# Altium PCB SYRINGE_PUMP.PcbDoc (part 1 of 2)
Units mm, origin at the board's own origin, x right, y up, seen from the top; angles counter-clockwise.
Board outline 62 x 144 mm, 2 copper layers (Top Layer, Bottom Layer); 121 components, 124 nets, 475 pads, 109 vias.
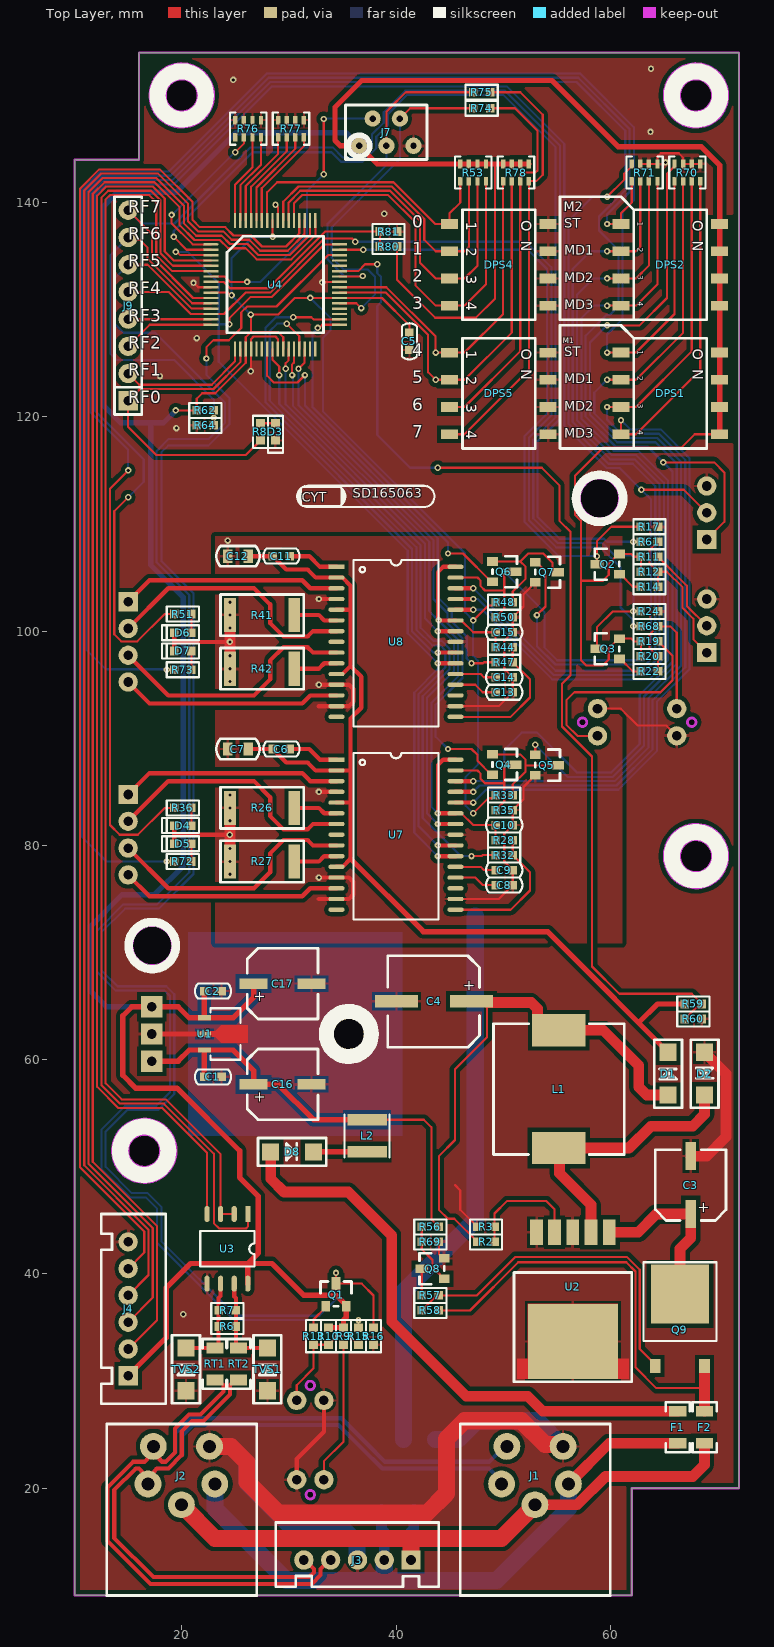
[diagram p0: Top Layer view]
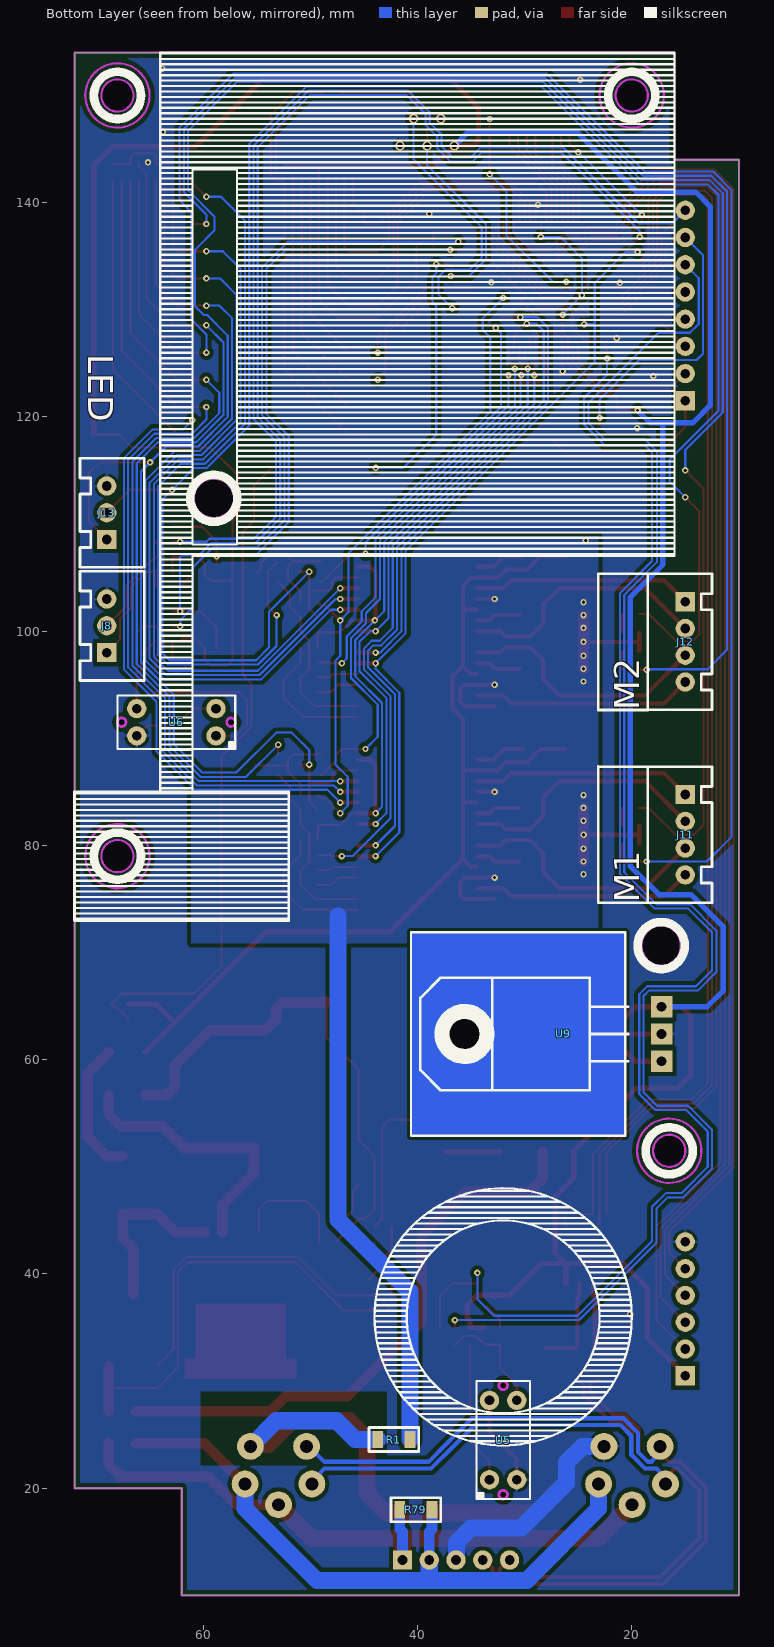
[diagram p1: Bottom Layer view, seen from below]

## Layer stack, top to bottom
Top Solder: solder mask 0.0102, Solder Resist, Dk 3.5
Top Layer: signal copper 0.0356
Dielectric 1: dielectric 0.32, FR-4, Dk 4.8
Bottom Layer: signal copper 0.0356
Bottom Solder: solder mask 0.0102, Solder Resist, Dk 3.5

## Board outline
10,10 10,144 16,144 16,154 72,154 72,20 62,20 62,10
cut-out: 32,29.2 cw(c32,29.6) 31.6,29.6 cw(c32,29.6) 32,30 cw(c32,29.6) 32.4,29.6 cw(c32,29.6)
cut-out: 32,19 cw(c32,19.4) 31.6,19.4 cw(c32,19.4) 32,19.8 cw(c32,19.4) 32.4,19.4 cw(c32,19.4)
cut-out: 57.4,91.1 cw(c57.4,91.5) 57,91.5 cw(c57.4,91.5) 57.4,91.9 cw(c57.4,91.5) 57.8,91.5 cw(c57.4,91.5)
cut-out: 67.6,91.1 cw(c67.6,91.5) 67.2,91.5 cw(c67.6,91.5) 67.6,91.9 cw(c67.6,91.5) 68,91.5 cw(c67.6,91.5)
cut-out: 59,110.6 ccw(c59,112.4) 60.8,112.4 ccw(c59,112.4) 59,114.2 ccw(c59,112.4) 57.2,112.4 ccw(c59,112.4)
cut-out: 19.05,70.65 cw(c17.25,70.65) 17.25,68.85 cw(c17.25,70.65) 15.45,70.65 cw(c17.25,70.65) 17.25,72.45 cw(c17.25,70.65)
cut-out: 68,77.5 cw(c68,79) 66.5,79 cw(c68,79) 68,80.5 cw(c68,79) 69.5,79 cw(c68,79)
cut-out: 16.5,50 cw(c16.5,51.5) 15,51.5 cw(c16.5,51.5) 16.5,53 cw(c16.5,51.5) 18,51.5 cw(c16.5,51.5)
cut-out: 68,148.5 cw(c68,150) 66.5,150 cw(c68,150) 68,151.5 cw(c68,150) 69.5,150 cw(c68,150)
cut-out: 20,148.5 cw(c20,150) 18.5,150 cw(c20,150) 20,151.5 cw(c20,150) 21.5,150 cw(c20,150)

## Design rules (kind name [scope] priority, off if disabled: settings)
Clearance [All] p1: gap=0.2 ignorepadtopadclearanceinfootprint=FALSE except(0.4: Arc-Poly Track-Poly SMDPad-Poly THPad-Poly Via-Poly Fill-Poly Poly-Poly Poly-Region)
ComponentClearance [All] p1: gap=0 collisioncheckmode=3 verticalgap=0 showdistances=FALSE
DiffPairsRouting [All] p1: maxlimit=0.254 minlimit=0.254 mostfreqgap=0.254 toplayer_minwidth=0.381 toplayer_maxwidth=0.381 toplayer_prefwidth=0.381 bottomlayer_minwidth=0.381 bottomlayer_maxwidth=0.381 bottomlayer_prefwidth=0.381 maxuncoupledlength=12.7
HoleSize [All] p1: absolutevalues=TRUE maxlimit=3.96 minlimit=0.025 maxpercent=80.000 minpercent=20.000
HoleToHoleClearance [All] p1: gap=0.1 allowstackedmicrovias=TRUE
MinimumSolderMaskSliver [All] p1: minsoldermaskwidth=0
PlaneConnect [All] p1: planeconnectstyle=Relief reliefexpansion=2.54 reliefentries=4 reliefconductorwidth=0.254 reliefairgap=0.254
PolygonConnect [All] p1: thpad.connectstyle=Relief thpad.reliefconductorwidth=0.254 thpad.reliefentries=4 thpad.polygonreliefangle="90 Angle" thpad.airgapwidth=0.254 smdpad.connectstyle=Relief smdpad.reliefconductorwidth=0.254 smdpad.reliefentries=4 smdpad.polygonreliefangle="90 Angle" smdpad.airgapwidth=0.254 via.connectstyle=Direct via.reliefconductorwidth=0.254 via.reliefentries=4 via.polygonreliefangle="90 Angle" via.airgapwidth=0.254
RoutingVias [All] p1: holewidth=0.4 width=0.7 viastyle="Through Hole" minholewidth=0.25 minwidth=0.5 maxholewidth=1 maxwidth=2
SilkToSilkClearance [All] p1: silktosilkclearance=0
SilkToSolderMaskClearance [IsPad] p1: minsilkscreentomaskgap=0 clearancetoexposedcopper=TRUE
SolderMaskExpansion [All] p1: expansion=0.102 istentingtop=FALSE
Width [All] p1: maxlimit=1.6 minlimit=0.2 preferedwidth=0.4
22 further rules are at their usual default settings.

## Classes and differential pairs
differential pair 485_D: +485_D+ -485_D-

## Components (designator, comment, footprint, x,y, rotation, side; value= is the part's Value field where it differs from the comment)
C1 "N_100nF_50V" 0603C-A1 22.915,58.4 r0 top locked
C2 "N_1uF_25V" 0603C-A1 22.915,66.4 r0 top locked
C3 "47uF_50V" SCAP-EC-P630I-A1 67.5,48.3 r90 top locked
C4 "100uF_50V" SCAP-EC-P850I-A1 43.55,65.45 r180 top locked
C5 "100nF_50V" 0603C-A1 41.25,127.05 r90 top locked
C6 "100nF_50V" 0603C-A1 29.3,89 r0 top locked
C7 "10uF" 0805C-A1 25.25,89 r180 top locked
C8 "1nF_50V" 0603C-A1 50.1,76.3 r180 top locked
C9 "100pF_50V" 0603C-A1 50.1,77.7 r180 top locked
C10 "100nF_50V" 0603C-A1 50.1,81.9 r180 top locked
C11 "100nF_50V" 0603C-A1 29.3,107 r0 top locked
C12 "10uF" 0805C-A1 25.25,107 r180 top locked
C13 "1nF_50V" 0603C-A1 50.1,94.3 r180 top locked
C14 "100pF_50V" 0603C-A1 50.1,95.7 r180 top locked
C15 "100nF_50V" 0603C-A1 50.1,99.9 r180 top locked
C16 "47uF_50V" SCAP-EC-P630I-A1 29.415,57.7 r0 top locked
C17 "47uF_50V" SCAP-EC-P630I-A1 29.415,67.1 r0 top locked
D1 "SS34" DO214AC-A1 65.4,60.7 r270 top locked
D2 "SS34" DO214AC-A1 68.8,56.7 r90 top locked
D3 "LED_G" 0603D-A1 28.75,118.6 r90 top locked
D4 "LED_R" 0603D-A1 20.1,81.85 r0 top locked
D5 "LED_G" 0603D-A1 20.1,80.15 r0 top locked
D6 "LED_R" 0603D-A1 20.1,99.85 r0 top locked
D7 "LED_G" 0603D-A1 20.1,98.15 r0 top locked
D8 "SS34" DO214AC-A1 32.3,51.4 r180 top locked
DPS1 "DIP-SWITCH-4" SDIPSW254-4P 61,126 r270 top locked
DPS2 "DIP-SWITCH-4" SDIPSW254-4P 61,137.999 r270 top locked
DPS4 "DIP-SWITCH-4" SDIPSW254-4P 45,137.999 r270 top locked
DPS5 "DIP-SWITCH-4" SDIPSW254-4P 45,125.999 r270 top locked
F1 "24V_1A" 1206R-B1 66.3,25.7 r270 top locked
F2 "24V_1A" 1206R-B1 68.8,25.7 r270 top locked
J1 "GX16-5PL" GX16-90 45.97,25.959 r270 top locked
J2 "GX16-5PL" GX16-90 12.97,25.959 r270 top locked
J3 "XH-5PI" XH250-5PI 41.4,13.3 r180 top locked
J4 "XH-6PI" XH250-6PI 15,30.5 r90 top locked
J7 "MicroChip Debug" MICROCHIP-B 36.55,145.301 r0 top locked
J8 "XH-3P" XH250-3PI 69,98 r90 bottom locked
J9 "HEADER254-8PI" HEADER254-8PI 15,121.5 r90 top locked
J11 "XH250-4PI" XH250-4PI 15,84.75 r270 bottom locked
J12 "XH250-4PI" XH250-4PI 15,102.75 r270 bottom locked
J13 "XH-3P" XH250-3PI 69,108.55 r90 bottom
L1 "47uH" SIND-PW-P1200-B1A 55.2,57.25 r90 top locked
L2 "4.7uH" SIND-PW-P400-B1 37.3,52.9 r90 top locked
Q1 "MMBT3906" SOT23-B1 33.45,37 r0 top locked
Q2 "MMBT3906" SOT23-B1 60.85,105.3 r90 top locked
Q3 "MMBT3906" SOT23-B1 60.85,97.4 r90 top locked
Q4 "AO3401" SOT23-B1 49,88.5 r270 top locked
Q5 "2N7002" SOT23-B1 53,88.45 r270 top locked
Q6 "AO3401" SOT23-B1 49,106.5 r270 top locked
Q7 "2N7002" SOT23-B1 53,106.45 r270 top locked
Q8 "2N7002" SOT23-B1 44.5,39.55 r90 top locked
Q9 "STP10P6F6" TO252-B2 66.5,38.1 r0 top locked
R1 "0R" 1206R-A1 42.2,24.55 r0 bottom
R2 "9K1" 0603R-A1 48.4,43 r0 top locked
R3 "1K" 0603R-A1 48.4,44.4 r180 top locked
R6 "N_0R" 0603R-A1 24.25,35.1 r180 top locked
R7 "N_0R" 0603R-A1 24.25,36.6 r180 top locked
R8 "2K" 0603R-A1 27.35,118.6 r90 top locked
R9 "220R" 0603R-A1 35.1,34.2 r270 top locked
R10 "5K1" 0603R-A1 33.7,34.2 r270 top locked
R11 "220R" 0603R-A1 63.65,106.95 r0 top locked
R12 "5K1" 0603R-A1 63.65,105.55 r0 top locked
R13 "1K" 0603R-A1 32.3,34.2 r90 top locked
R14 "1K" 0603R-A1 63.65,104.15 r180 top locked
R15 "N_0R" 0603R-A1 36.5,34.2 r90 top locked
R16 "2K" 0603R-A1 37.9,34.2 r270 top locked
R17 "2K" 0603R-A1 63.65,109.75 r0 top locked
R19 "220R" 0603R-A1 63.65,99.05 r0 top locked
R20 "5K1" 0603R-A1 63.65,97.65 r0 top locked
R22 "1K" 0603R-A1 63.65,96.25 r180 top locked
R24 "2K" 0603R-A1 63.65,101.85 r0 top locked
R26 "0R22" 2512R-A1 27.5,83.5 r0 top locked
R27 "0R22" 2512R-A1 27.5,78.5 r0 top locked
R28 "47K" 0603R-A1 50.1,80.5 r180 top locked
R32 "N_0R" 0603R-A1 50.1,79.1 r180 top locked
R33 "2K" 0603R-A1 50.1,84.7 r0 top locked
R35 "2K" 0603R-A1 50.1,83.3 r0 top locked
R36 "2K" 0603R-A1 20.1,83.5 r0 top locked
R41 "0R22" 2512R-A1 27.5,101.5 r0 top locked
R42 "0R22" 2512R-A1 27.5,96.5 r0 top locked
R44 "47K" 0603R-A1 50.1,98.5 r180 top locked
R47 "N_0R" 0603R-A1 50.1,97.1 r180 top locked
R48 "2K" 0603R-A1 50.1,102.7 r0 top locked
R50 "2K" 0603R-A1 50.1,101.3 r0 top locked
R51 "2K" 0603R-A1 20.1,101.6 r0 top locked
R53 "2K" 4P8R0603-B1 46,142 r0 top locked
R56 "10K" 0603R-A1 43.2,44.4 r180 top locked
R57 "10K" 0603R-A1 43.2,38 r180 top locked
R58 "10K" 0603R-A1 43.2,36.6 r180 top locked
R59 "10K" 0603R-A1 67.75,65.2 r0 top locked
R60 "2K" 0603R-A1 67.75,63.8 r0 top locked
R61 "N_0R" 0603R-A1 63.65,108.35 r180 top locked
R62 "N_0R" 0603R-A1 22.2,120.6 r0 top locked
R64 "N_0R" 0603R-A1 22.2,119.2 r180 top locked
R68 "N_0R" 0603R-A1 63.65,100.45 r180 top locked
R69 "2K" 0603R-A1 43.2,43 r0 top locked
R70 "2K" 4P8R0603-B1 68.4,143.6 r180 top locked
R71 "2K" 4P8R0603-B1 64.4,143.6 r180 top locked
R72 "2K" 0603R-A1 20.1,78.5 r0 top locked
R73 "2K" 0603R-A1 20.1,96.4 r0 top locked
R74 "2K" 0603R-A1 48,148.8 r180 top locked
R75 "2K" 0603R-A1 48,150.3 r180 top locked
R76 "2K" 4P8R0603-B1 25,146.1 r0 top locked
R77 "2K" 4P8R0603-B1 29,146.1 r0 top locked
R78 "2K" 4P8R0603-B1 50,142 r0 top locked
R79 "N_0R" 1206R-A1 40.15,18 r0 bottom locked
R80 "4K7" 0603R-A1 39.3,135.9 r180 top locked
R81 "4K7" 0603R-A1 39.3,137.3 r0 top locked
RT1 "FUSE PPTC" 1206R-B1 23.1,31.6 r270 top locked
RT2 "FUSE PPTC" 1206R-B1 25.3,31.6 r270 top locked
TVS1 "SMAJ6.5CA" DO214AC-A1 28,33.1 r270 top locked
TVS2 "SMAJ6.5CA" DO214AC-A1 20.4,33.1 r270 top locked
U1 "N_78L05" SOT89P-B2 22.13,62.4 r270 top locked
U2 "LM2596" TO263-5-B2 56.5,43.9 r180 top locked
U3 "MAX485" SOIC8A-P127-B1 26.17,45.6 r270 top locked
U4 "PIC16F1947-I/PT" TQFP64-P050-B1 22.725,136.1 r0 top locked
U5 "GP1S56" GP1S56 29.5,19 r90 bottom
U6 "GP1S56" GP1S56 57,94 r0 bottom
U7 "LV8728" LV8728 40,81 r0 top locked
U8 "LV8728" LV8728 40,99 r0 top locked
U9 "L7805" TO220-P254L-A1 17.215,59.86 r90 bottom locked

## Footprints (in the part's own frame and the unit in brackets; to place one, negate y for a bottom-side part, rotate by r counter-clockwise, add the part's x,y. Pads: shape width x height; smd on the part's side, far side on the other; paste and mask are expansions set on the pad)
4P8R0603-B1 [mm]
  rect 0.4x0.8 smd: 1(0,0) 2(0.8,0) 3(1.6,0) 4(2.4,0) 5(2.4,1.6) 6(1.6,1.6) 7(0.8,1.6) 8(0,1.6)
  silkscreen extent -0.5,-0.7 2.9,2.3
0603C-A1 [mm]
  rect 0.8x0.8 smd: 1(-0.8,0) 2(0.8,0)
  silkscreen extent -1.69,-0.7 1.69,0.7, body extent -0.8,-0.4 0.8,0.4, height 0.8
0603D-A1 [mm]
  rect 0.8x0.8 smd: 1(-0.8,0) 2(0.8,0)
  silkscreen extent -1.95,-0.7 1.5,0.7, body extent -0.8,-0.4 0.8,0.4, height 0.45
0603R-A1 [mm]
  rect 0.8x0.8 smd: 1(-0.8,0) 2(0.8,0)
  silkscreen extent -1.5,-0.7 1.5,0.7, body extent -0.8,-0.4 0.8,0.4, height 0.45
0805C-A1 [mm]
  rect 0.9x1.25 smd: 1(-0.95,0) 2(0.95,0)
  silkscreen extent -2.02,-0.95 2.02,0.95, body extent -1,-0.62 1,0.63, height 0.55
1206R-A1 [mm]
  rect 1x1.6 smd: 1(-1.5,0) 2(1.5,0)
  silkscreen extent -2.32,-1.12 2.32,1.12, body extent -1.6,-0.8 1.6,0.8, height 0.6
1206R-B1 [mm]
  rect 1x1.6 smd: 1(-1.5,0) 2(1.5,0)
  silkscreen extent -2.32,-1.12 2.32,1.12, body extent -1.6,-0.8 1.6,0.8, height 0.6
2512R-A1 [mm]
  rect 1.1x3.2 smd: 1(-3,0) 2(3,0)
  silkscreen extent -3.88,-1.92 3.88,1.92, body extent -3.16,-1.6 3.16,1.6, height 0.62
DO214AC-A1 [mm]
  rect 1.6x1.6 smd: 1(0,0) 2(4,0)
  silkscreen extent -1.17,-1.3 5.18,1.3, body extent -0.6,-1.38 4.6,1.22, height 2.4
GP1S56 [mm]
  round 1.8 hole 0.9: 1(1.8,3.77) 2(1.8,1.23) 3(9.2,1.23) 4(9.2,3.77)
  silkscreen extent 0,0 11,5
GX16-90 [mm]
  round 2.5 hole 1.2: 1(7.5,7) 2(5.56,10.12) 3(2.05,9.62) 4(2.05,4.38) 5(5.56,3.88)
  silkscreen extent -0.04,0.03 15.96,14.03
HEADER254-8PI [mm]
  rect 1.8x1.8 hole 0.9: 1(0,0)
  round 1.8 hole 0.9: 2(2.54,0) 3(5.08,0) 4(7.62,0) 5(10.16,0) 6(12.7,0) 7(15.24,0) 8(17.78,0)
  silkscreen extent -1.27,-1.28 19.05,1.27, body extent -1.28,-1.27 19.04,1.27, height 8.64
LV8728 [mm]
  rect 1.5x0.4 smd: 1(-5.555,7)
  oval 1.5x0.4 smd: 2(-5.555,6) 3(-5.555,5) 4(-5.555,4) 5(-5.555,3) 6(-5.555,2) 7(-5.555,1) 8(-5.555,0) 9(-5.555,-1) 10(-5.555,-2) 11(-5.555,-3) 12(-5.555,-4) 13(-5.555,-5) 14(-5.555,-6) 15(-5.555,-7) 16(5.555,-7) 17(5.555,-6) 18(5.555,-5) 19(5.555,-4) 20(5.555,-3) 21(5.555,-2) 22(5.555,-1) 23(5.555,0) 24(5.555,1) 25(5.555,2) 26(5.555,3) 27(5.555,4) 28(5.555,5) 29(5.555,6) 30(5.555,7)
  silkscreen extent -3.97,-7.91 3.97,7.64
MICROCHIP-B [mil]
  round 60 / inner round 60 / far side round 35.43 hole 23.62 paste-39.37: 1(-0.01,-0.04) 2(49.99,99.96) 3(100.38,-0.04) 4(149.99,99.96) 5(199.99,-0.04)
  silkscreen extent -50,-50 250,150
SCAP-EC-P630I-A1 [mm]
  rect 2.6x1 smd: 1(-2.7,0) 2(2.7,0)
  silkscreen extent -3.3,-3.3 3.3,3.3, body extent -3.68,-3.29 3.62,3.31, height 5.9
SCAP-EC-P850I-A1 [mm]
  rect 4x1.2 smd: 1(-3.499,-0.006) 2(3.501,-0.006)
  silkscreen extent -4.25,-4.26 4.33,4.29, body extent -4.6,-4.13 4.6,4.17, height 7.71
SDIPSW254-4P [mm]
  rect 0.9x1.6 smd: 1(-0.001,0) 2(2.539,0) 3(5.079,0) 4(7.619,0) 5(7.619,9.2) 6(5.079,9.2) 7(2.539,9.2) 8(-0.001,9.2)
  silkscreen extent -1.33,1.2 8.95,8, body extent -1.19,0.01 8.82,9.31, height 3.01
SIND-PW-P400-B1 [mm]
  rect 1.1x3.7 smd: 1(-1.5,0) 2(1.5,0)
  silkscreen extent -2,-2.1 2,2.1
SIND-PW-P1200-B1A [mm]
  rect 3x5 smd: 1(-5.5,0) 2(5.5,0)
  silkscreen extent -6.1,-6.1 6.1,6.1, body extent -6.15,-6.15 6.15,6.15, height 6.2
SOIC8A-P127-B1 [mm]
  rect 1.5x0.48 smd: 1(0,0)
  oval 1.5x0.48 smd: 2(0,-1.27) 3(0,-2.54) 4(0,-3.81) 5(6.5,-3.81) 6(6.5,-2.54) 7(6.5,-1.27) 8(6.5,0)
  silkscreen extent 1.58,-4.45 4.92,0.64, body extent 0.26,-4.36 6.25,0.54, height 1.6
SOT23-B1 [mm]
  rect 0.8x1 smd: 1(0,0) 2(1.9,0)
  rect 0.8x1.2 smd: 3(0.95,2.1)
  silkscreen extent -0.5,0 2.4,2.3, body extent -0.55,-0.22 2.45,2.42, height 1.08
SOT89P-B2 [mm]
  rect 0.5x1.25 smd: 1(-1.5,0) 2(0,0) 3(1.5,0)
  Top Layer region: -0.25,1 -0.8,1.55 -0.8,4.025 0.8,4.025 0.8,1.55 0.25,1 0.25,-0.625 -0.25,-0.625
  silkscreen extent -2.4,0.55 2.4,3.35, body extent -2.25,-0.34 2.25,3.6, height 1.4
TO220-P254L-A1 [mm]
  rect 2x2 hole 0.9: 1(0,0) 2(2.54,0) 3(5.08,0)
  round 3.3 hole 3: ""(2.54,18.385)
  silkscreen extent -2.71,3.11 7.79,22.51, body extent -2.68,-0.15 7.72,20.95, height 4.5
TO252-B2 [mm]
  rect 1x1.3 smd: 1(-2.3,-6.7) 3(2.3,-6.7)
  rect 5.4x5.5 smd: 2(0,0.05)
  silkscreen extent -3.4,-4.35 3.4,3, body extent -3.37,-7.3 3.37,2.8, height 2.37
TO263-5-B2 [mm]
  rect 1.2x2.4 smd: 1(-3.4,0) 2(-1.7,0) 3(0,0) 4(1.7,0) 5(3.4,0)
  rect 8.4x7 smd: 6(0,10.2)
  Top Layer region: -5.2,11.8 -4.2,11.8 -4.2,6.7 4.2,6.7 4.2,11.8 5.2,11.8 5.2,13.7 -5.2,13.7
  silkscreen extent -5.5,3.76 5.49,13.95, body extent -5.07,-0.47 5.09,13.55, height 4.56
TQFP64-P050-B1 [mm]
  oval 1.4x0.22 smd: 1(0,0)
  rect 1.4x0.22 smd: 2(0,-0.5) 3(0,-1) 4(0,-1.5) 5(0,-2) 6(0,-2.5) 7(0,-3) 8(0,-3.5) 9(0,-4) 10(0,-4.5) 11(0,-5) 12(0,-5.5) 13(0,-6) 14(0,-6.5) 15(0,-7) 16(0,-7.5) 33(12,-7.5) 34(12,-7) 35(12,-6.5) 36(12,-6) 37(12,-5.5) 38(12,-5) 39(12,-4.5) 40(12,-4) 41(12,-3.5) 42(12,-3) 43(12,-2.5) 44(12,-2) 45(12,-1.5) 46(12,-1) 47(12,-0.5) 48(12,0)
  rect 0.22x1.4 smd: 17(2.25,-9.75) 18(2.75,-9.75) 19(3.25,-9.75) 20(3.75,-9.75) 21(4.25,-9.75) 22(4.75,-9.75) 23(5.25,-9.75) 24(5.75,-9.75) 25(6.25,-9.75) 26(6.75,-9.75) 27(7.25,-9.75) 28(7.75,-9.75) 29(8.25,-9.75) 30(8.75,-9.75) 31(9.25,-9.75) 32(9.75,-9.75) 49(9.75,2.25) 50(9.25,2.25) 51(8.75,2.25) 52(8.25,2.25) 53(7.75,2.25) 54(7.25,2.25) 55(6.75,2.25) 56(6.25,2.25) 57(5.75,2.25) 58(5.25,2.25) 59(4.75,2.25) 60(4.25,2.25) 61(3.75,2.25) 62(3.25,2.25) 63(2.75,2.25) 64(2.25,2.25)
  round 0.5 on Top Overlay: ""(2.775,-0.35)
  silkscreen extent 1.5,-8.25 10.5,0.75, body extent -0.01,-9.76 12.01,2.25, height 1.2
XH250-3PI [mm]
  rect 1.8x1.8 hole 0.9: 1(0,0)
  round 1.8 hole 0.9: 2(2.5,0) 3(5,0)
  silkscreen extent -2.6,-3.5 7.6,2.5, body extent -2.45,-3.4 7.45,2.35, height 7
XH250-4PI [mm]
  rect 1.8x1.8 hole 0.9: 1(0,0)
  round 1.8 hole 0.9: 2(2.5,0) 3(5,0) 4(7.5,0)
  silkscreen extent -2.6,-3.5 10.1,2.5, body extent -2.45,-3.4 9.95,2.35, height 7
XH250-5PI [mm]
  rect 1.8x1.8 hole 0.9: 1(0,0)
  round 1.8 hole 0.9: 2(2.5,0) 3(5,0) 4(7.5,0) 5(10,0)
  silkscreen extent -2.6,-3.5 12.63,2.5, body extent -2.44,-3.34 12.46,2.41, height 7
XH250-6PI [mm]
  rect 1.8x1.8 hole 0.9: 1(0,0)
  round 1.8 hole 0.9: 2(2.5,0) 3(5,0) 4(7.5,0) 5(10,0) 6(12.5,0)
  silkscreen extent -2.6,-3.5 15.1,2.5, body extent -2.45,-3.38 14.95,2.37, height 7

## Part data
Q6: library part A03401

## Via types
v1: diameter 0.6, hole 0.3, Top Layer to Bottom Layer, tented both sides, 97 vias
v2: diameter 0.6, hole 0.3, Top Layer to Bottom Layer, tented bottom, 12 vias

## Nets (pads, with @x,y where several pads share a name; then routed paths per layer and width w, separated by ;. In a path a pad name is that pad's centre, name@x,y a point inside that pad or via, vN(x,y) a via of type N, cw(c..) or ccw(c..) an arc to the next point about the centre after c; other vN are vias at no path point)
485_D+: J1.4 J2.4 J3.4 RT1.2 | length 86.5
  Top Layer w0.381: J2.4@17.35,23.909 J2.4@17.35,23.336 ; RT1.2@23.1,30.1 23.4,30.1 23.882,29.617 23.882,29.028 21.754,26.9 20.689,26.9 19.364,25.575 19.364,23.348 18.488,22.472 18.173,22.472 17.949,22.695 17.949,22.736 J2.4@17.35,23.336 ; J3.4@33.9,13.3 33.8,13.3 32.968,12.467 32.968,11.888 32.144,11.065 17.087,11.065 13.065,15.087 13.065,20.089 15.448,22.472 16.527,22.472 16.75,22.695 16.75,22.736 J2.4@17.35,23.336
  Bottom Layer w0.381: J2.4@17.35,23.909 17.35,23.336 17.949,22.736 17.949,22.695 18.173,22.472 18.488,22.472 19.41,23.394 19.41,25.164 20.781,26.535 34.915,26.535 37.2,24.25 38.978,22.472 48.662,22.472 50.1,23.909 J1.4@50.35,23.909
485_D-: J1.5 J2.5 J3.5 RT2.2 | length 84.5
  Top Layer w0.381: J2.5@16.85,20.399 J2.5@16.85,20.973 ; RT2.2@25.3,30.1 25,30.1 24.517,29.617 24.517,28.765 22.017,26.265 20.952,26.265 19.999,25.312 19.999,23.085 18.751,21.837 17.673,21.837 17.449,21.614 17.449,21.572 J2.5@16.85,20.973 ; J3.5@31.4,13.3 31.5,13.3 32.333,12.467 32.333,12.151 31.881,11.7 17.35,11.7 13.7,15.35 13.7,19.826 15.711,21.837 16.027,21.837 16.25,21.614 16.25,21.572 J2.5@16.85,20.973
  Bottom Layer w0.381: J2.5@16.85,20.399 16.85,20.973 17.449,21.572 17.449,21.614 17.673,21.837 18.751,21.837 20.045,23.131 20.045,24.901 21.044,25.9 34.652,25.9 36.565,23.987 36.751,23.801 38.715,21.837 48.662,21.837 49.85,20.649 J1.5@49.85,20.399
ADDSEL_0: DPS4.1 R53.1 U4.58 | length 26.1
  Top Layer w0.2: U4.58@27.975,138.35 27.975,140.975 28.9,141.9 39.766,141.9 43.666,138 DPS4.1@45,138 45,139 46,140 R53.1@46,142
ADDSEL_1: DPS4.2 R53.2 U4.55 | length 29.6
  Top Layer w0.2: U4.55@29.475,138.35 29.475,140.075 30.9,141.5 39.6,141.5 42.633,138.467 42.633,136.528 43.7,135.46 DPS4.2@45,135.46 46.4,135.46 46.8,135.86 R53.2@46.8,142
ADDSEL_2: DPS4.3 R53.3 U4.54 | length 33.8
  Top Layer w0.2: U4.54@29.975,138.35 29.975,140.009 31.066,141.1 39.434,141.1 42.233,138.302 42.233,134.388 43.7,132.92 DPS4.3@45,132.92 46.4,132.92 47.6,134.12 R53.3@47.6,142
ADDSEL_3: DPS4.4 R53.4 U4.53 | length 38
  Top Layer w0.2: U4.53@30.475,138.35 30.475,139.944 31.231,140.7 39.269,140.7 41.833,138.136 41.833,132.248 43.7,130.38 DPS4.4@45,130.38 46.4,130.38 48.4,132.38 R53.4@48.4,142
ADDSEL_4: DPS5.1 R78.1 U4.40 | length 32.6
  Top Layer w0.2: U4.40@34.725,132.1 39.1,132.1 43.7,127.5 v1(43.7,125.999) DPS5.1@45,126 ; DPS5.1@45,126 46.4,126 50,129.6 R78.1@50,142
ADDSEL_5: DPS5.2 R78.2 U4.39 | length 37.4
  Top Layer w0.2: U4.39@34.725,131.6 39.034,131.6 43,127.634 43,124.159 v1(43.7,123.459) DPS5.2@45,123.46 ; DPS5.2@45,123.46 46.4,123.46 50.8,127.86 R78.2@50.8,142
ADDSEL_6: DPS5.3 R74.1 R78.3 | length 36
  Top Layer w0.2: DPS5.3@45,120.92 46.4,120.92 51.6,126.12 R78.3@51.6,142 51.6,142.6 51.8,142.8 53,142.8 53.2,143 53.2,146.7 51.1,148.8 R74.1@48.8,148.8
ADDSEL_7: DPS5.4 R75.1 R78.4 | length 40.4
  Top Layer w0.2: DPS5.4@45,118.38 46.4,118.38 52.4,124.38 R78.4@52.4,142 53.1,142 53.7,142.6 53.7,148.2 51.6,150.3 R75.1@48.8,150.3
FREQ_SEL: R80.2 R81.1 U4.8 | length 19.6
  Top Layer w0.2: U4.8@22.725,132.6 23.9,132.6 24.5,132 28.097,132 33.397,137.3 R81.1@38.5,137.3 R80.2@38.5,135.9
GND: C1.2 C2.2 C3.2 C4.2 C5.1 C16.2 C17.2 D2.2 D3.1 DPS4.5 DPS4.6 DPS4.7 DPS4.8 DPS5.5 DPS5.6 DPS5.7 DPS5.8 J1.3 J2.3 J3.3 J4.6 J7.5 J8.3 J13.3 Q8.2 R1.2 R3.2 R16.2 R17.2 R24.2 R60.2 R64.2 R69.2 R70.1 R70.2 R70.3 R71.1 R71.2 R71.3 R76.5 R76.6 R76.7 R76.8 R77.5 R77.6 R77.7 R77.8 R81.2 TVS1.2 TVS2.2 U1.2 U2.3 U2.5 U2.6 U3.5 U4.9 U4.20 U4.25 U4.41 U4.56 U5.2 U5.4 U6.2 U6.4 U9.2 | length 138
  Top Layer w0.2: v1(21.1,132.5) 21.149,132.5 21.549,132.1 U4.9@22.725,132.1 ; v1(26.45,124.25) 26.465,124.265 26.465,126.34 U4.20@26.475,126.35 26.475,127.275 26.7,127.5 28.75,127.5 28.975,127.275 U4.25@28.975,126.35 ; v1(28.75,139.8) 28.975,139.575 U4.56@28.975,138.35 ; v1(33.1,132.55) 33.14,132.59 34.715,132.59 U4.41@34.725,132.6 ; R69.2@44,43 44,41.85 44.4,41.45 Q8.2@44.5,41.45 ; 45.5,48.3 46,47.8 46,46 R3.2@47.6,44.4 ; U6.2@58.8,92.77 60.98,92.77 62.55,91.2 65.23,91.2 U6.4@66.2,90.23 ; R71.3@62.8,143.6 R71.2@63.6,143.6 R71.1@64.4,143.6 64.4,144.3 64.7,144.6 66.4,144.6 66.8,144.2 R70.3@66.8,143.6 R70.2@67.6,143.6 R70.1@68.4,143.6
  Top Layer w0.4: U5.2@30.73,20.8 30.73,22.73 33.27,25.27 U5.4@33.27,28.2
  Top Layer w0.5: U9.2@17.215,62.4 21.754,62.4 U1.2@22.13,62.4
  Top Layer w1: C3.2@67.5,51 69,51 70.8,52.8 70.8,58.7 69.1,60.4 D2.2@68.8,60.7
  Top Layer w1.6: J2.3@22.59,23.909 24.591,23.909 26.1,22.4 26.1,20.6 29,17.7 42.9,17.7 44.7,19.5 44.7,24.6 46.4,26.3 51.7,26.3 53.918,24.082 55.417,24.082 J1.3@55.59,23.909
  Bottom Layer w1.6: J2.3@22.59,23.909 24.591,23.909 26.1,22.4 26.1,20.5 30.3,16.3 35,16.3 36.362,14.938 36.362,13.338 J3.3@36.4,13.3 ; R1.2@43.7,24.55 45.8,24.55 47.55,26.3 53.199,26.3 J1.3@55.59,23.909
  other v1: 20.15,36.25 19.5,118.95 17.975,123.811 21.4,127.35 38.9,138.95 65.15,143.75 63.75,146.6 24.8,151.45 63.8,152.5
GND_SIGNAL: C7.2 C8.1 C9.1 C10.1 C12.2 C13.1 C14.1 C15.1 D4.1 D5.1 D6.1 D7.1 Q5.2 Q7.2 R1.1 R26.1 R27.1 R35.2 R41.1 R42.1 R50.2 U7.4 U7.12 U7.14 U7.17 U7.23 U8.4 U8.12 U8.14 U8.17 U8.23 | length 130.2
  Top Layer w0.2: U7.17@45.555,75 49.6,75 C8.1@50.9,76.3 C9.1@50.9,77.7 50.2,78.4 50.1,78.4 50.1,81.1 C10.1@50.9,81.9 R35.2@50.9,83.3 51.9,84.3 51.9,85.45 52.6,86.15 52.6,86.25 52.9,86.55 Q5.2@53,86.55 ; U8.17@45.555,93 49.6,93 C13.1@50.9,94.3 C14.1@50.9,95.7 50.2,96.4 50.1,96.4 50.1,99.1 C15.1@50.9,99.9 R50.2@50.9,101.3 51.9,102.3 51.9,103.45 52.6,104.15 52.6,104.25 52.9,104.55 Q7.2@53,104.55
  Top Layer w0.4: D5.1@19.3,80.15 19.3,80.987 ; D4.1@19.3,81.85 19.3,80.987 ; D7.1@19.3,98.15 19.3,98.987 ; D6.1@19.3,99.85 19.3,98.987 ; v1@24.5,81 v1(24.487,80.987) 19.3,80.987 ; v1(24.5,99) 24.487,98.987 19.3,98.987 ; 32.8,75 U7.14@34.445,75 35.6,75 36,75.4 36,76.6 35.6,77 U7.12@34.445,77 v1(32.8,77) ; v1(32.8,85) U7.4@34.445,85 ; 32.8,93 U8.14@34.445,93 35.6,93 36,93.4 36,94.6 35.6,95 U8.12@34.445,95 v1(32.8,95) ; v1(32.8,103) U8.4@34.445,103
  Top Layer w1: v2(24.5,78.5) v2(24.5,79.7) 24.5,81 v2(24.5,82.3) v2(24.5,83.5) ; v2(24.5,96.5) v1(24.5,99) v2(24.5,101.5)
  Bottom Layer w1.6: R1.1@40.7,24.55 40.7,38.35 47.4,45.05 47.4,73.4
  other v1: 24.3,108.45
  other v2: 24.5,77.3 24.5,84.7 24.5,95.3 24.5,97.7 24.5,100.3 24.5,102.7
M1_BTN_LIMIT: R76.2 U4.1 | length 15.4
  Top Layer w0.2: v1(19.05,138.85) 19.05,138.084 21.034,136.1 U4.1@22.725,136.1 ; v1(25,144.7) 25.8,145.5 R76.2@25.8,146.1
  Bottom Layer w0.2: v1(19.05,138.85) 19.1,138.85 24.95,144.7 v1(25,144.7)
M1_ENCODER: Q2.3 R17.1 U4.47 | length 59.5
  Top Layer w0.2: U4.47@34.725,135.6 v1(36.95,135.6) ; Q2.3@58.75,106.25 58.75,108.4 60.1,109.75 R17.1@62.85,109.75
  Bottom Layer w0.2: v1(36.95,135.6) 52.3,135.6 54.1,133.8 54.1,120.3 52.008,118.208 52.008,110.192 52.567,109.633 55.2,107 v1(58.75,107)
M1_FR: U4.29 U7.22 | length 63.4
  Top Layer w0.2: v1(29.8,128.7) 30.975,127.525 U4.29@30.975,126.35
  Top Layer w0.4: v1(43.91,80) U7.22@45.555,80
  Bottom Layer w0.2: v1(29.8,128.7) 28.9,128.7 28.216,128.016 28.216,121.516 41.9,107.831 41.9,100.141 43.368,98.673 44.127,98.673 44.6,98.2 44.6,96.6 42.1,94.1 42.1,81.81 v1(43.91,80)
M1_MO: R32.2 U4.24 | length 60.4
  Top Layer w0.2: U4.24@28.475,126.35 28.475,125.325 29.1,124.7 v1(29.1,123.9) ; v1(47.045,79) 48,79 48.1,79.1 R32.2@49.3,79.1
  Bottom Layer w0.2: v1(29.1,123.9) 29.1,121.197 42.3,107.997 42.3,100.307 43.504,99.104 44.262,99.104 45,98.366 45,96.434 42.5,93.934 42.5,82.561 46.061,79 v1(47.045,79)
M1_OUT1A: J11.1 U7.3 | length 20.6
  Top Layer w0.4: J11.1@15,84.75 17,86.75 31.25,86.75 32,86 U7.3@34.445,86
M1_OUT1B: J11.2 U7.7 | length 24.1
  Top Layer w0.4: J11.2@15,82.25 18.75,86 26.75,86 28.25,84.5 28.25,82.75 29.5,81.5 31.75,81.5 32.25,82 U7.7@34.445,82
M1_OUT2A: J11.3 U7.9 | length 24.1
  Top Layer w0.4: J11.3@15,79.75 18.75,76 26.75,76 28.25,77.5 28.25,79.25 29.5,80.5 31.75,80.5 32.25,80 U7.9@34.445,80
M1_OUT2B: J11.4 U7.13 | length 20.6
  Top Layer w0.4: J11.4@15,77.25 17,75.25 31.25,75.25 32,76 U7.13@34.445,76
M1_ST: Q4.2 U4.30 | length 50.9
  Top Layer w0.2: v1(30.9,124.5) 31.475,125.075 U4.30@31.475,126.35 ; v1(44.85,89) 47.05,89 47.6,88.45 47.6,87.9 48.9,86.6 Q4.2@49,86.6
  Bottom Layer w0.2: v1(30.9,124.5) 30.9,121.094 43.5,108.494 43.5,103 44.8,101.7 44.8,100.736 46.2,99.336 46.2,95.634 43.7,93.134 43.7,90.15 v1(44.85,89)
M1_ST_IC: J13.1 Q4.3 R35.1 R36.1 U7.29 | length 233.9
  Top Layer w0.2: v1(15,115) 13.3,113.3 13.3,81.9 14.2,81 15.9,81 18.4,83.5 R36.1@19.3,83.5 ; U7.29@45.555,87 47.6,87 47.9,86.7 47.9,86.2 48.3,85.8 50.1,85.8 ; R35.1@49.3,83.3 50.1,84.1 50.1,85.8 ; 50.1,86.55 50.1,85.8 ; Q4.3@50.6,87.25 Q4.3@50.9,87.55 ; Q4.3@51.1,87.55 Q4.3@50.9,87.55 ; v1(64.95,115.75) 69.7,115.75 70.65,114.8 70.65,110.2 J13.1@69,108.55 ; 50.1,85.8 v1(50.1,87.55) Q4.3@50.9,87.55
  Bottom Layer w0.2: v1(15,115) 15,116.9 11.5,120.4 11.5,140.869 12.731,142.1 19.116,142.1 28.266,151.25 56.85,151.25 61.4,146.7 61.4,141.15 58.95,138.7 58.95,137.4 60.75,135.6 60.75,130.3 59.95,129.5 59.617,129.5 57.7,127.583 57.7,120.019 60.488,117.231 60.969,117.231 63.47,117.23 65.8,114.9 65.8,97.113 62.75,94.063 62.75,89.463 60.087,86.8 56.9,86.8 53.175,90.525 51.725,90.525 50.1,88.9 v1(50.1,87.55)
M1_TOP_LIMIT: Q3.3 R24.1 U4.2 | length 107.5
  Top Layer w0.2: v1(19.25,136.8) 20.45,135.6 U4.2@22.725,135.6 ; Q3.3@58.75,98.35 58.75,100.35 60.25,101.85 v1(62.15,101.85) R24.1@62.85,101.85
  Bottom Layer w0.2: v1(19.25,136.8) 19.25,137.35 26.6,144.7 33.984,144.7 34.873,143.811 36.877,143.811 38.15,145.084 38.15,146.15 39.25,147.25 39.25,148.267 41.033,150.05 50,150.05 54.9,145.15 54.9,119.969 52.808,117.876 52.808,110.524 55.108,108.224 59.242,108.224 60.388,107.078 61.972,107.078 62.15,106.9 v1(62.15,101.85)
M2_BTN_LIMIT: R76.4 U4.63 | length 8.5
  Top Layer w0.2: U4.63@25.475,138.35 25.475,141.609 27.4,143.534 R76.4@27.4,146.1
M2_ENCODER: Q1.3 R16.1 U4.46 | length 155.7
  Top Layer w0.2: v1(22.3,125.45) 22.3,126.5 22.95,127.15 24.4,127.15 25.55,128.3 25.55,129.75 26.1,130.3 28.85,130.3 33.65,135.1 U4.46@34.725,135.1 ; v1(34.4,40.1) Q1.3@34.4,39.1 36.8,39.1 37.9,38 R16.1@37.9,35
  Bottom Layer w0.2: v1(22.3,125.45) 22.3,123.916 24.45,121.766 24.45,119.284 22.483,117.317 18.733,117.317 18.1,116.684 18.1,106.543 21.1,103.543 21.1,77.334 17.866,74.1 14.716,74.1 12.5,71.884 12.5,68.35 14,66.85 18.566,66.85 19.3,66.116 19.3,56.8 17.8,55.3 14.9,55.3 12.9,53.3 12.9,50 15.35,47.55 16.816,47.55 18.1,46.266 18.1,43.066 25.066,36.1 32.85,36.1 34.4,37.65 v1(34.4,40.1)
M2_FR: U4.34 U8.22 | length 46.3
  Top Layer w0.2: v1(30.4,129.3) 32.1,129.3 32.3,129.1 U4.34@34.725,129.1
  Top Layer w0.4: v1(43.91,98) U8.22@45.555,98
  Bottom Layer w0.2: v1(30.4,129.3) 28.8,129.3 27.816,128.316 27.816,121.35 41.5,107.666 41.5,99.976 43.469,98.007 43.903,98.007 v1(43.91,98)
M2_MO: R47.2 U4.23 | length 42.2
  Top Layer w0.2: U4.23@27.975,126.35 27.975,123.825 28.6,123.2 30.8,123.2 v1(31.5,123.9) ; v1(47.045,97) 48.1,97 48.2,97.1 R47.2@49.3,97.1
  Bottom Layer w0.2: v1(31.5,123.9) 31.5,121.06 43.9,108.66 43.9,103.166 45.2,101.866 45.2,100.901 46.6,99.501 46.6,97.445 v1(47.045,97)
M2_OUT1A: J12.1 U8.3 | length 20.6
  Top Layer w0.4: J12.1@15,102.75 17,104.75 31.25,104.75 32,104 U8.3@34.445,104
M2_OUT1B: J12.2 U8.7 | length 24.1
  Top Layer w0.4: J12.2@15,100.25 18.75,104 26.75,104 28.25,102.5 28.25,100.75 29.5,99.5 31.75,99.5 32.25,100 U8.7@34.445,100
M2_OUT2A: J12.3 U8.9 | length 24.1
  Top Layer w0.4: J12.3@15,97.75 18.75,94 26.75,94 28.25,95.5 28.25,97.25 29.5,98.5 31.75,98.5 32.25,98 U8.9@34.445,98
M2_OUT2B: J12.4 U8.13 | length 20.6
  Top Layer w0.4: J12.4@15,95.25 17,93.25 31.25,93.25 32,94 U8.13@34.445,94
M2_ST: Q6.2 U4.33 | length 33.9
  Top Layer w0.2: v1(32.7,128.3) 32.808,128.3 33.108,128.6 U4.33@34.725,128.6 ; v1(44.85,107.25) 46.25,107.25 48.9,104.6 Q6.2@49,104.6
  Bottom Layer w0.2: v1(32.7,128.3) 32.2,127.8 32.2,120.925 40.463,112.663 44.85,108.275 v1(44.85,107.25)
M2_ST_IC: J13.2 Q6.3 R50.1 R51.1 U8.29 | length 190
  Top Layer w0.2: v1(15,112.5) 13.7,111.2 13.7,99.7 14.35,99.05 15.85,99.05 18.4,101.6 R51.1@19.3,101.6 ; U8.29@45.555,105 47.6,105 47.9,104.7 47.9,104.2 48.3,103.8 50.1,103.8 ; R50.1@49.3,101.3 50.1,102.1 50.1,103.8 ; Q6.3@51.1,105.55 v1(50.1,105.55) 50.1,103.8 ; v1(62.9,113.2) 66.85,113.2 J13.2@69,111.05
  Bottom Layer w0.2: v1(15,112.5) 16.45,113.95 16.45,116.016 11.9,120.566 11.9,140.703 12.897,141.7 19.281,141.7 28.431,150.85 50.331,150.85 55.7,145.481 55.7,119.19 59.66,115.231 60.869,115.231 v1(62.9,113.2) 63.8,112.3 63.8,97.941 63.142,97.283 55.049,97.283 53.85,98.481 53.85,101.8 v1(50.1,105.55)
M2_TOP_LIMIT: R76.3 U4.64 | length 8.4
  Top Layer w0.2: U4.64@24.975,138.35 24.975,141.675 26.6,143.3 R76.3@26.6,146.1
M3_BTN_LIMIT: R77.2 U4.61 | length 9.1
  Top Layer w0.2: U4.61@26.475,138.35 26.475,141.478 29.8,144.803 R77.2@29.8,146.1
M3_ENCODER: U4.45
M3_FR: U4.36
M3_MO: U4.22
M3_ST: U4.35
M3_TOP_LIMIT: R77.1 U4.62 | length 9
  Top Layer w0.2: U4.62@25.975,138.35 25.975,141.544 29,144.569 R77.1@29,146.1
M4_BTN_LIMIT: R77.4 U4.59 | length 9.4
  Top Layer w0.2: U4.59@27.475,138.35 27.475,141.347 31.4,145.272 R77.4@31.4,146.1
M4_ENCODER: U4.44
M4_FR: U4.32
M4_MO: U4.21
M4_ST: U4.31
M4_TOP_LIMIT: R77.3 U4.60 | length 9.3
  Top Layer w0.2: U4.60@26.975,138.35 26.975,141.412 30.6,145.037 R77.3@30.6,146.1